# Allegro board TDI_KU5P_QSFP28_CXP_V001-20240805_1841.brd (continued)
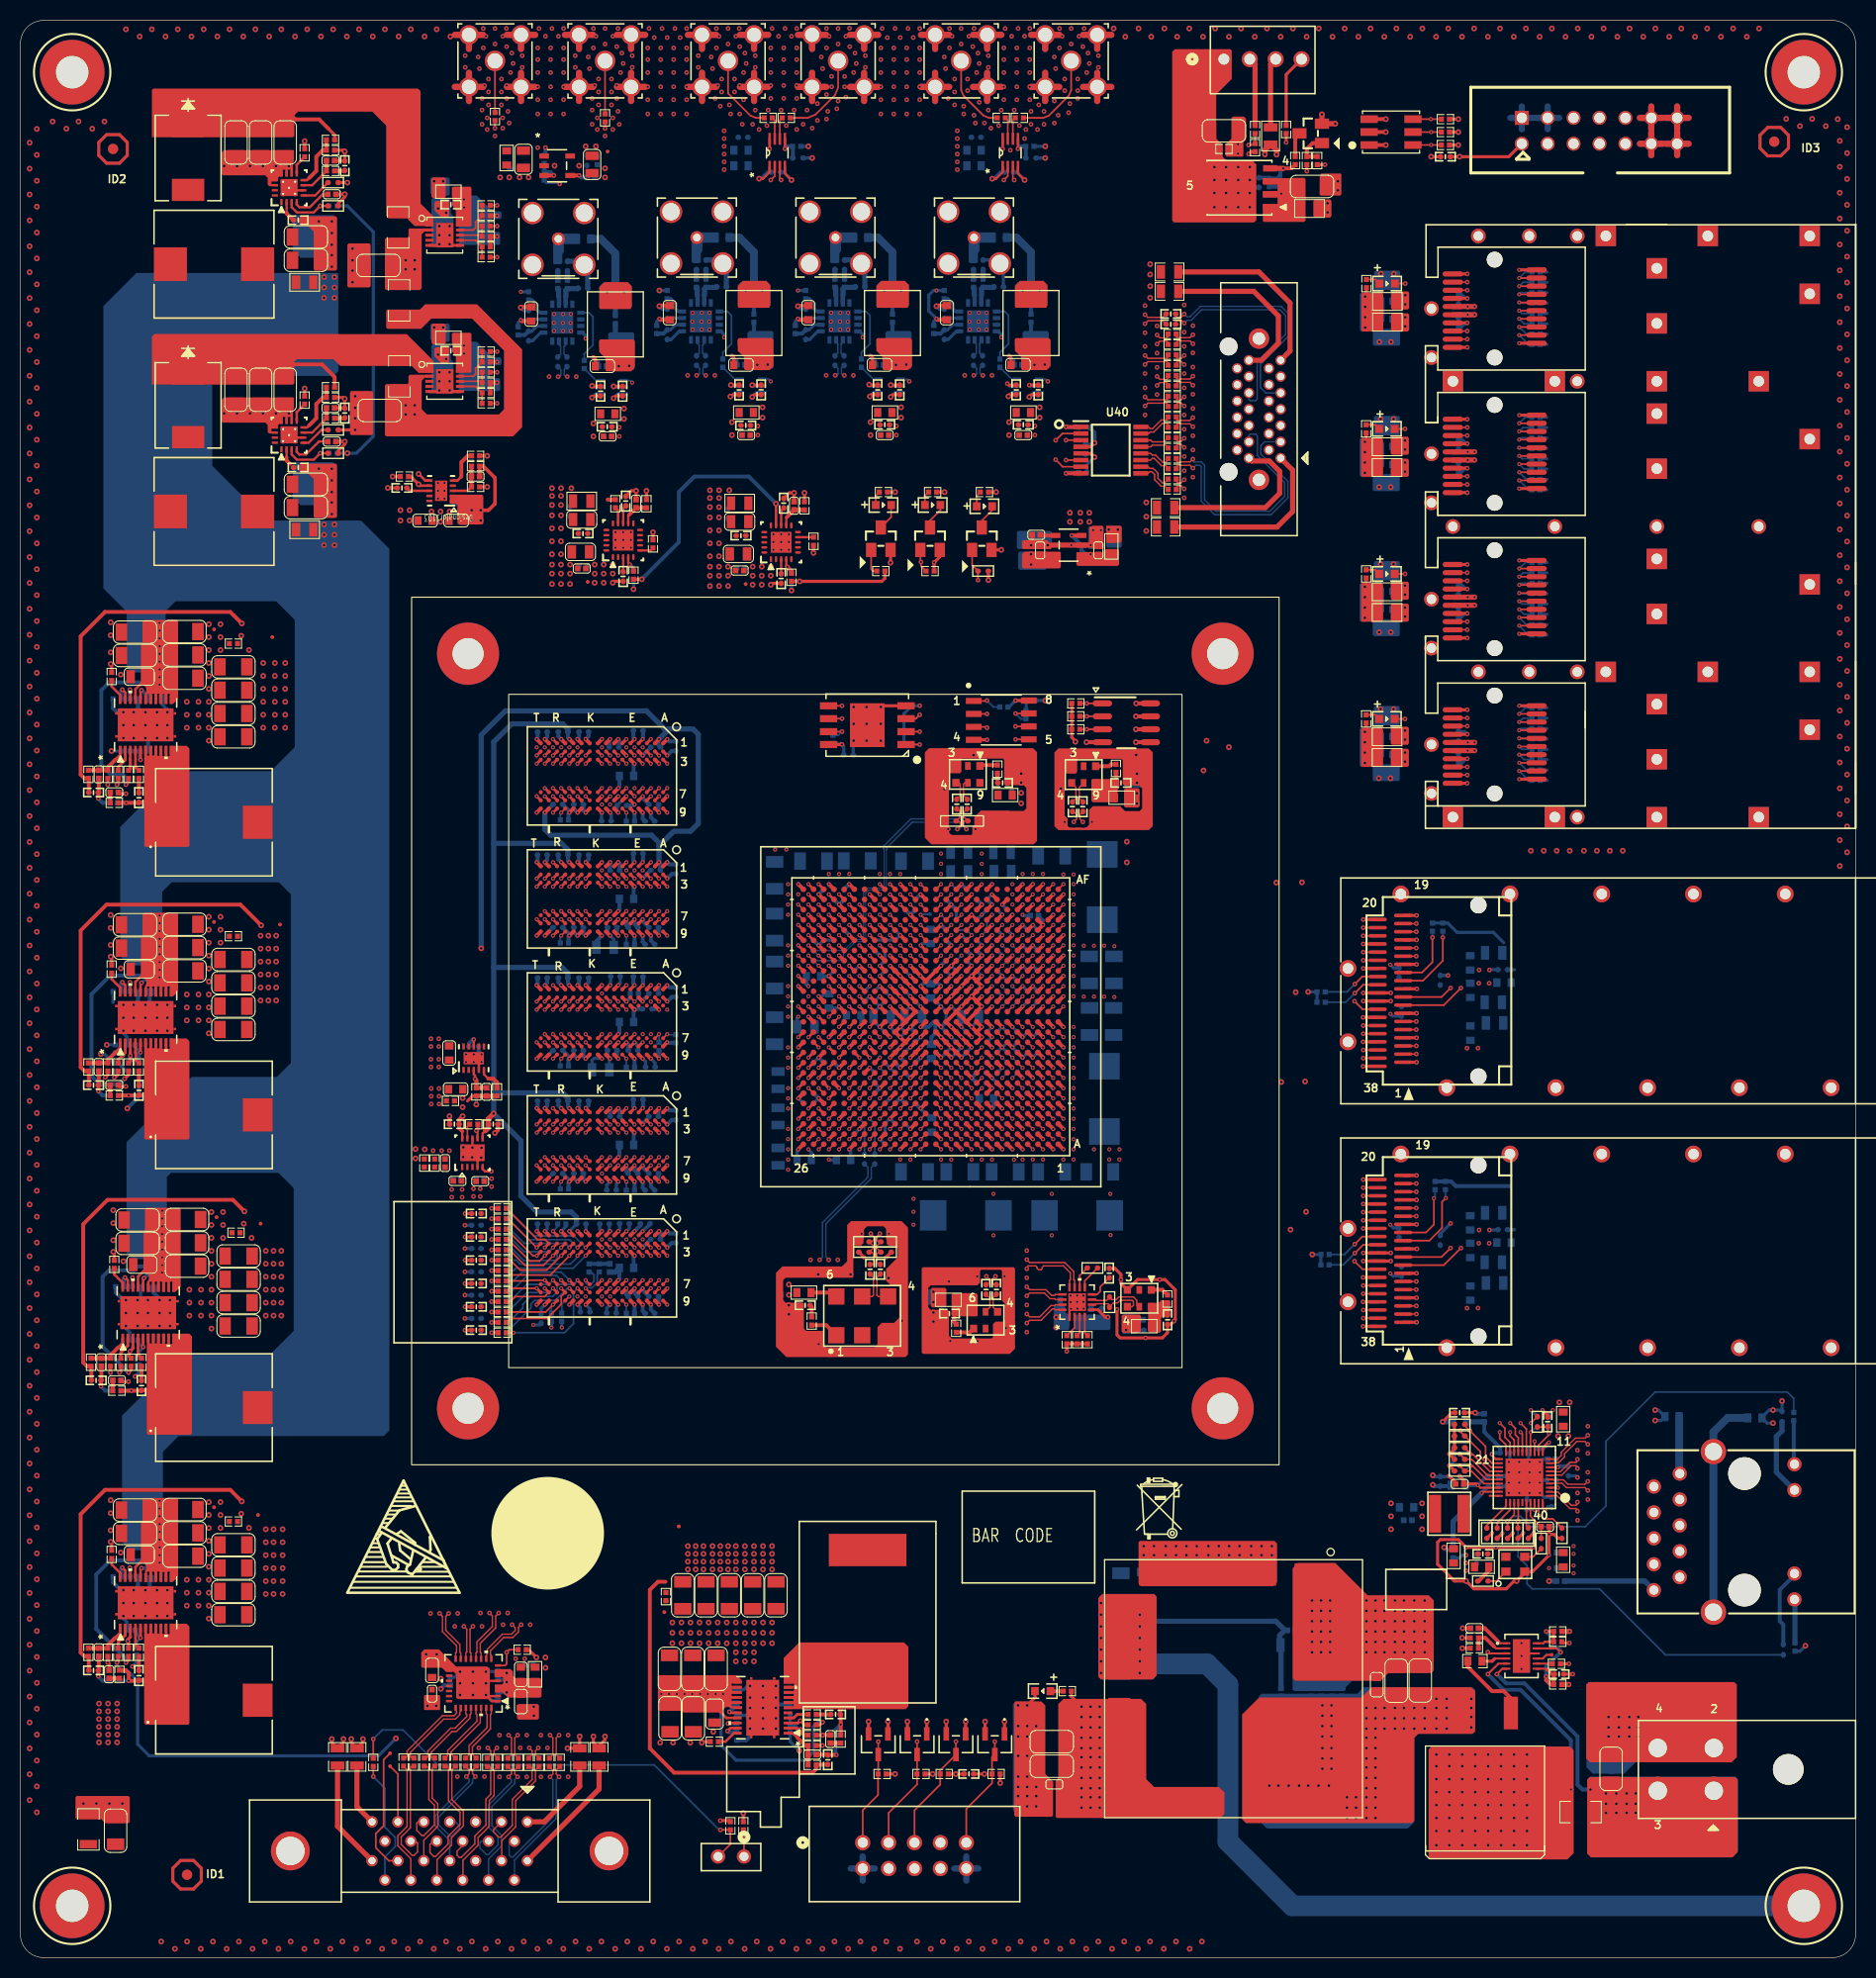
[diagram p0: board, top side]
## Routing (per net, layer and track width the routed paths; a pad name or vN(x,y) marks a point on that pad's centre or on a via; arc(x,y) is an arc through that point) (continued)
CHA_FPGA_DDR4_C1_A12: length 119.9
  TOP w0.267: U6.M7 v1(53.84,114.7) ; U1.V23 v1(79.29,97.28) ; U5.M7 v1(53.84,102.64) ; U8.M7 v1(53.84,90.57) ; U7.M7 v1(53.84,78.51) ; U9.M7 v1(53.84,66.44)
  ART10 w0.191: v1(53.84,114.7) 54.24,115.1 63.81,115.1 64.21,114.69 64.21,114.29 64.4,114.1 64.79,114.1 64.98,114.29 64.98,114.69 65.17,114.88 65.55,114.88 65.74,114.69 65.74,114.29 65.93,114.1 66.31,114.1 66.5,114.29 66.5,114.69 66.69,114.88 67.07,114.88 67.26,114.69 67.26,114.29 67.45,114.1 67.83,114.1 68.02,114.29 68.02,114.69 68.21,114.88 68.6,114.88 68.79,114.69 68.79,114.29 68.98,114.1 69.36,114.1 69.55,114.29 69.55,114.69 69.74,114.88 70.04,114.88 70.75,114.17 70.75,113.9 70.46,113.61 70.46,113.35 70.73,113.08 71,113.08 71.29,113.37 71.56,113.37 71.83,113.1 71.83,112.83 71.54,112.54 71.54,112.27 71.81,112 72.08,112 72.37,112.29 72.64,112.29 72.91,112.02 72.91,111.75 72.62,111.46 72.62,111.19 72.89,110.92 73.16,110.92 73.45,111.21 73.72,111.21 73.99,110.94 73.99,110.67 73.7,110.38 73.7,110.11 73.97,109.84 74.24,109.84 74.53,110.13 74.8,110.13 75.81,109.12 75.81,107.6 76,107.41 77.47,107.41 77.66,107.22 77.66,106.84 77.47,106.65 76,106.65 75.81,106.46 75.81,106.04 75.99,105.87 77.57,105.87 77.79,105.65 77.79,98.97 77.98,98.78 78.5,98.78 78.79,98.49 78.79,97.78 v1(79.29,97.28)
  ART12 w0.122: v1(53.84,66.44) 53.84,68.1 53.44,68.5 53.44,72.78 53.32,72.9 53.1,72.9 52.97,73.02 52.97,73.27 53.1,73.39 53.32,73.39 53.44,73.51 53.44,73.76 53.32,73.88 53.1,73.88 52.97,74 52.97,74.24 53.1,74.37 53.32,74.37 53.44,74.49 53.44,74.73 53.32,74.85 53.1,74.85 52.97,74.97 52.97,75.22 53.1,75.34 53.32,75.34 53.44,75.46 53.44,77.95 53.66,78.17 53.84,78.35 v1(53.84,78.51) 53.84,80.16 53.44,80.56 53.44,82.14 53.32,82.26 53.17,82.26 53.05,82.38 53.05,82.63 53.17,82.75 53.32,82.75 53.44,82.87 53.44,83.86 53.32,83.98 53.15,83.98 53.03,84.1 53.03,84.34 53.15,84.47 53.32,84.47 53.44,84.59 53.44,84.85 53.32,84.97 53.17,84.97 53.05,85.09 53.05,85.33 53.17,85.45 53.32,85.45 53.44,85.58 53.44,85.82 53.32,85.94 53.17,85.94 53.05,86.06 53.05,86.31 53.17,86.43 53.32,86.43 53.44,86.55 53.44,86.8 53.32,86.92 53.17,86.92 53.05,87.04 53.05,87.28 53.17,87.41 53.32,87.41 53.44,87.53 53.44,90.01 53.66,90.24 53.84,90.41 v1(53.84,90.57) 53.84,92.23 53.44,92.63 53.44,94.2 53.32,94.33 53.17,94.33 53.05,94.45 53.05,94.69 53.17,94.81 53.32,94.81 53.44,94.94 53.44,95.92 53.32,96.04 53.15,96.04 53.03,96.16 53.03,96.41 53.15,96.53 53.32,96.53 53.44,96.65 53.44,96.91 53.32,97.03 53.17,97.03 53.05,97.15 53.05,97.4 53.17,97.52 53.32,97.52 53.44,97.64 53.44,97.89 53.32,98.01 53.17,98.01 53.05,98.13 53.05,98.37 53.17,98.5 53.32,98.5 53.44,98.62 53.44,98.86 53.32,98.98 53.17,98.98 53.05,99.1 53.05,99.35 53.17,99.47 53.32,99.47 53.44,99.59 53.44,102.08 53.66,102.3 53.84,102.48 v1(53.84,102.64) 53.84,104.29 53.44,104.69 53.44,108.98 53.32,109.1 53.17,109.1 53.05,109.22 53.05,109.46 53.17,109.58 53.32,109.58 53.44,109.71 53.44,109.95 53.32,110.07 53.17,110.07 53.05,110.19 53.05,110.44 53.17,110.56 53.32,110.56 53.44,110.68 53.44,110.93 53.32,111.05 53.17,111.05 53.05,111.17 53.05,111.41 53.17,111.54 53.32,111.54 53.44,111.66 53.44,114.3 v1(53.84,114.7)
  BOTTOM w0.17: v1(53.84,66.44) 53.05,67.23 49.22,67.23 48.35,66.37 R82.1
CHA_FPGA_DDR4_C1_A13: length 116.1
  TOP w0.17: R83.1 47.95,65.64 v1(50.64,65.64)
  TOP w0.267: U5.T8 v1(50.64,101.83) ; U8.T8 v1(50.64,89.77) ; U1.N24 v1(78.29,92.28) ; U6.T8 v1(50.64,113.9) ; U9.T8 v1(50.64,65.64) ; U7.T8 v1(50.64,77.7)
  ART10 w0.191: v1(50.64,113.9) 50.15,113.42 50.15,108.56 50.74,107.98 63.87,107.98 64.4,107.44 64.4,91.99 64.7,91.69 65.63,91.69 65.82,91.88 65.82,92.27 66.01,92.46 66.39,92.46 66.58,92.27 66.58,91.88 66.77,91.69 77.71,91.69 v1(78.29,92.28)
  ART12 w0.122: v1(50.64,113.9) 50.08,113.9 49.01,112.83 49.01,103.46 49.29,103.18 49.46,103.18 49.68,103.4 49.85,103.4 50.03,103.23 50.03,103.05 49.81,102.84 49.81,102.66 v1(50.64,101.83) 50.08,101.83 49.01,100.76 49.01,91.4 49.22,91.19 49.39,91.19 49.48,91.28 49.66,91.28 49.83,91.1 49.83,90.93 49.74,90.84 49.74,90.67 49.91,90.5 50.08,90.5 50.17,90.59 50.35,90.59 50.52,90.41 50.52,90.24 50.43,90.15 50.43,89.98 v1(50.64,89.77) 50.08,89.77 49.01,88.7 49.01,79.33 49.22,79.12 49.39,79.12 49.48,79.21 49.66,79.21 49.83,79.04 49.83,78.87 49.74,78.78 49.74,78.6 49.91,78.43 50.08,78.43 50.17,78.52 50.35,78.52 50.52,78.35 50.52,78.18 50.43,78.09 50.43,77.91 v1(50.64,77.7) 50.08,77.7 49.01,76.63 49.01,67.27 49.29,66.99 49.46,66.99 49.68,67.2 49.85,67.2 50.03,67.03 50.03,66.86 49.81,66.64 49.81,66.47 v1(50.64,65.64)
CHA_FPGA_DDR4_C1_ACT: length 120.5
  TOP w0.267: U6.L3 v1(54.64,117.1) ; U5.L3 v1(54.64,105.04) ; U9.L3 v1(54.64,68.84) ; U1.Y23 v1(79.29,99.28) ; U7.L3 v1(54.64,80.91) ; U8.L3 v1(54.64,92.97)
  ART05 w0.122: v1(54.64,68.84) 54.24,69.24 54.24,70.15 55.04,70.95 55.04,71.83 54.92,71.95 54.75,71.95 54.63,72.07 54.63,72.31 54.75,72.44 54.92,72.44 55.04,72.56 55.04,72.8 54.92,72.92 54.75,72.92 54.63,73.05 54.63,73.29 54.75,73.41 54.92,73.41 55.04,73.53 55.04,73.78 54.92,73.9 54.75,73.9 54.63,74.02 54.63,74.27 54.75,74.39 54.92,74.39 55.04,74.51 55.04,74.75 54.92,74.88 54.75,74.88 54.63,75 54.63,75.24 54.75,75.36 54.92,75.36 55.04,75.48 55.04,78.91 54.64,79.31 v1(54.64,80.91) 54.64,81.06 54.46,81.24 54.24,81.46 54.24,82.21 55.04,83.01 55.04,83.79 54.92,83.92 54.75,83.92 54.63,84.04 54.63,84.28 54.75,84.4 54.92,84.4 55.04,84.53 55.04,84.77 54.92,84.89 54.75,84.89 54.63,85.01 54.63,85.26 54.75,85.38 54.92,85.38 55.04,85.5 55.04,85.75 54.92,85.87 54.75,85.87 54.63,85.99 54.63,86.23 54.75,86.35 54.92,86.35 55.04,86.48 55.04,86.72 54.92,86.84 54.75,86.84 54.63,86.96 54.63,87.21 54.75,87.33 54.92,87.33 55.04,87.45 55.04,90.98 54.64,91.38 v1(54.64,92.97) 54.64,93.13 54.46,93.3 54.24,93.53 54.24,94.28 55.04,95.08 55.04,96.98 54.92,97.11 54.72,97.11 54.6,97.23 54.6,97.47 54.72,97.59 54.92,97.59 55.04,97.72 55.04,97.96 54.92,98.08 54.72,98.08 54.6,98.2 54.6,98.45 54.72,98.57 54.92,98.57 55.04,98.69 55.04,98.94 54.92,99.06 54.72,99.06 54.6,99.18 54.6,99.42 54.72,99.54 54.92,99.54 55.04,99.67 55.04,103.04 54.64,103.44 v1(54.64,105.04) 54.64,105.19 54.46,105.37 54.24,105.59 54.24,106.34 55.04,107.14 55.04,109.05 54.92,109.17 54.72,109.17 54.6,109.29 54.6,109.54 54.72,109.66 54.92,109.66 55.04,109.78 55.04,110.02 54.92,110.15 54.72,110.15 54.6,110.27 54.6,110.51 54.72,110.63 54.92,110.63 55.04,110.76 55.04,111 54.92,111.12 54.72,111.12 54.6,111.24 54.6,111.49 54.72,111.61 54.92,111.61 55.04,111.73 55.04,115.11 54.64,115.51 v1(54.64,117.1)
  ART12 w0.165: v1(54.64,117.1) 55.03,117.49 55.03,118.14 56,119.1 63.86,119.1
  ART12 w0.191: v1(79.29,99.28) 78.79,99.78 78.11,99.78 77.79,100.1 77.79,100.49 77.5,100.78 77.08,100.78 76.79,101.07 76.79,101.43 76.44,101.78 71.99,101.78 71.8,101.97 71.8,107.51 71.61,107.7 70.26,107.7 70.07,107.89 70.07,108.38 70.26,108.57 71.58,108.57 71.77,108.76 71.77,109.14 71.58,109.33 70.26,109.33 70.07,109.52 70.07,109.9 70.26,110.09 71.58,110.09 71.77,110.28 71.77,110.66 71.58,110.85 70.26,110.85 70.07,111.05 70.07,111.43 70.26,111.62 71.58,111.62 71.77,111.81 71.77,112.19 71.58,112.38 70.28,112.38 70.09,112.57 70.09,114.63 65.62,119.1 63.86,119.1
  BOTTOM w0.17: v1(54.64,68.84) 54.64,68.72 53.94,68.02 49.01,68.02 48.63,68.4 R97.1
CHA_FPGA_DDR4_C1_ALERT: length 121
  TOP w0.17: v1(52.24,64.04) 51.52,63.32 R67.2
  TOP w0.267: U9.P9 v1(52.24,64.04) ; U1.P24 v1(78.29,93.28) ; U8.P9 v1(52.24,88.17) ; U5.P9 v1(52.24,100.23) ; U7.P9 v1(52.24,76.1) ; U6.P9 v1(52.24,112.3)
  ART03 w0.122: v1(52.24,64.04) U9.P9 52.64,71.86 52.77,71.99 53.06,71.99 53.18,72.11 53.18,72.35 53.06,72.47 52.77,72.47 52.64,72.6 52.64,72.84 52.77,72.96 53.06,72.96 53.18,73.08 53.18,73.33 53.06,73.45 52.77,73.45 52.64,73.57 52.64,73.81 52.77,73.94 53.06,73.94 53.18,74.06 53.18,74.3 53.06,74.42 52.77,74.42 52.64,74.55 52.64,75.69 52.24,76.1 v1(52.24,76.1) U7.P9 52.64,83.89 52.77,84.02 53.06,84.02 53.18,84.14 53.18,84.39 53.06,84.51 52.77,84.51 52.64,84.63 52.64,84.88 52.77,85 53.06,85 53.18,85.12 53.18,85.36 53.06,85.48 52.77,85.48 52.64,85.61 52.64,85.85 52.77,85.97 53.06,85.97 53.18,86.09 53.18,86.34 53.06,86.46 52.77,86.46 52.64,86.58 52.64,87.76 52.24,88.16 v1(52.24,88.17) U8.P9 52.64,95.68 52.77,95.81 53,95.81 53.13,95.93 53.13,96.17 53,96.29 52.77,96.29 52.64,96.42 52.64,96.66 52.77,96.78 53,96.78 53.13,96.9 53.13,97.15 53,97.27 52.77,97.27 52.64,97.39 52.64,97.64 52.77,97.76 53,97.76 53.13,97.88 53.13,98.12 53,98.25 52.77,98.25 52.64,98.37 52.64,98.61 52.77,98.73 53,98.73 53.13,98.86 53.13,99.1 53,99.22 52.77,99.22 52.64,99.34 52.64,99.82 52.24,100.23 v1(52.24,100.23) U5.P9 52.64,109.37 52.77,109.49 53.16,109.49 53.28,109.61 53.28,109.86 53.16,109.98 52.77,109.98 52.64,110.1 52.64,110.35 52.77,110.47 53.16,110.47 53.28,110.59 53.28,110.83 53.16,110.96 52.77,110.96 52.64,111.08 52.64,111.89 52.24,112.29 v1(52.24,112.3)
  ART10 w0.191: v1(78.29,93.28) 77.79,93.78 77.08,93.78 76.63,94.23 76.05,94.23 75.52,94.77 68.93,94.77 68.39,95.3 68.39,98.75 68.2,98.94 66.78,98.94 66.59,99.13 66.59,99.51 66.78,99.7 68.2,99.7 68.39,99.89 68.39,100.27 68.2,100.46 66.78,100.46 66.59,100.65 66.59,101.03 66.78,101.22 68.2,101.22 68.39,101.41 68.39,101.79 68.2,101.98 66.78,101.98 66.59,102.18 66.59,102.56 66.78,102.75 68.2,102.75 68.39,102.94 68.39,103.42 68.2,103.61 66.73,103.61 66.54,103.8 66.54,109.45 66.16,109.83 52.62,109.83 52.24,110.21 v1(52.24,112.3)
  BOTTOM w0.17: v1(52.24,64.04) 52.09,63.89 R68.2
CHA_FPGA_DDR4_C1_BA0: length 122.9
  TOP w0.267: U5.N2 v1(53.04,105.84) ; U8.N2 v1(53.04,93.77) ; U7.N2 v1(53.04,81.71) ; U9.N2 v1(53.04,69.64) ; U1.V22 v1(80.29,97.28) ; U6.N2 v1(53.04,117.9)
  ART05 w0.122: v1(53.04,117.9) 53.44,117.5 53.44,115.78 52.64,114.98 52.64,111.62 52.52,111.5 52.33,111.5 52.21,111.38 52.21,111.13 52.33,111.01 52.52,111.01 52.64,110.89 52.64,110.65 52.52,110.52 52.33,110.52 52.21,110.4 52.21,110.16 52.33,110.04 52.52,110.04 52.64,109.91 52.64,109.67 52.52,109.55 52.33,109.55 52.21,109.43 52.21,109.18 52.33,109.06 52.52,109.06 52.64,108.94 52.64,107.02 53.04,106.62 v1(53.04,105.84) 53.04,105.68 53.44,105.28 53.44,103.72 52.64,102.92 52.64,101.41 52.52,101.29 52.33,101.29 52.21,101.17 52.21,100.92 52.33,100.8 52.52,100.8 52.64,100.68 52.64,99.56 52.52,99.43 52.33,99.43 52.21,99.31 52.21,99.07 52.33,98.95 52.52,98.95 52.64,98.82 52.64,98.58 52.52,98.46 52.33,98.46 52.21,98.34 52.21,98.09 52.33,97.97 52.52,97.97 52.64,97.85 52.64,97.6 52.52,97.48 52.33,97.48 52.21,97.36 52.21,97.12 52.33,97 52.52,97 52.64,96.87 52.64,94.95 53.04,94.55 v1(53.04,93.77) 53.04,93.61 53.44,93.21 53.44,91.65 52.64,90.85 52.64,89.34 52.52,89.22 52.33,89.22 52.21,89.1 52.21,88.86 52.33,88.73 52.52,88.73 52.64,88.61 52.64,87.49 52.52,87.37 52.33,87.37 52.21,87.25 52.21,87 52.33,86.88 52.52,86.88 52.64,86.76 52.64,86.52 52.52,86.39 52.33,86.39 52.21,86.27 52.21,86.03 52.33,85.91 52.52,85.91 52.64,85.78 52.64,85.54 52.52,85.42 52.33,85.42 52.21,85.3 52.21,85.05 52.33,84.93 52.52,84.93 52.64,84.81 52.64,82.89 53.04,82.49 v1(53.04,81.71) 53.04,81.55 53.44,81.15 53.44,79.59 52.64,78.79 52.64,75.43 52.52,75.3 52.33,75.3 52.21,75.18 52.21,74.94 52.33,74.82 52.52,74.82 52.64,74.69 52.64,74.45 52.52,74.33 52.33,74.33 52.21,74.21 52.21,73.96 52.33,73.84 52.52,73.84 52.64,73.72 52.64,73.47 52.52,73.35 52.33,73.35 52.21,73.23 52.21,72.99 52.33,72.87 52.52,72.87 52.64,72.74 52.64,70.82 53.04,70.42 v1(53.04,69.64)
  ART12 w0.165: 53.44,120.02 U6.N2 v1(53.04,117.9)
  ART12 w0.191: v1(80.29,97.28) 79.79,97.78 79.79,105.54 79.55,105.78 76.04,105.78 75.81,106.01 75.81,106.5 76,106.69 76.94,106.69 77.13,106.88 77.13,107.26 76.94,107.45 76,107.45 75.81,107.64 75.81,109.87 75.62,110.06 73.81,110.06 73.62,110.25 73.62,110.63 73.81,110.82 75.62,110.82 75.81,111.01 75.81,111.48 65.67,121.62 55.03,121.62 53.44,120.02
  BOTTOM w0.17: R84.1 48.33,69.42 49.37,68.38 52.47,68.38 52.64,68.55 52.64,69.24 53.04,69.64 v1(53.04,69.64)
CHA_FPGA_DDR4_C1_BA1: length 123.7
  TOP w0.17: U9.N8 53.04,64.84 53.04,64.07 51.65,62.69 48.04,62.69 R85.1
  TOP w0.267: U8.N8 v1(53.04,89.77) ; U7.N8 v1(53.04,77.7) ; U5.N8 v1(53.04,101.83) ; U1.T23 v1(79.29,95.28) ; U6.N8 v1(53.04,113.9) ; U9.N8 v1(53.04,65.64)
  ART10 w0.165: v1(53.04,113.9) U6.N8 53.44,112.06
  ART10 w0.191: 53.44,112.06 53.44,111.35 53.69,111.1 69.41,111.1 69.69,110.82 69.69,110.36 69.5,110.17 67.92,110.17 67.73,109.98 67.73,109.6 67.92,109.41 69.62,109.41 69.81,109.22 69.81,108.84 69.62,108.65 67.92,108.65 67.73,108.46 67.73,108.07 67.92,107.88 69.5,107.88 69.69,107.69 69.69,107.31 69.5,107.12 67.92,107.12 67.73,106.93 67.73,106.55 67.92,106.36 69.5,106.36 69.69,106.17 69.69,96.52 69.94,96.27 75.6,96.27 76.09,95.78 77.61,95.78 78.12,95.28 v1(79.29,95.28)
  ART12 w0.122: v1(53.04,113.9) 53.04,113.07 52.64,112.67 52.64,111.58 52.52,111.46 52.38,111.46 52.26,111.34 52.26,111.09 52.38,110.97 52.52,110.97 52.64,110.85 52.64,110.61 52.52,110.48 52.38,110.48 52.26,110.36 52.26,110.12 52.38,110 52.52,110 52.64,109.87 52.64,109.63 52.52,109.51 52.38,109.51 52.26,109.39 52.26,109.14 52.38,109.02 52.52,109.02 52.64,108.9 52.64,104.66 53.44,103.86 53.44,102.39 53.04,101.99 v1(53.04,101.83) 53.04,101 52.64,100.6 52.64,99.51 52.52,99.39 52.38,99.39 52.26,99.27 52.26,99.03 52.38,98.91 52.52,98.91 52.64,98.78 52.64,98.54 52.52,98.42 52.38,98.42 52.26,98.3 52.26,98.05 52.38,97.93 52.52,97.93 52.64,97.81 52.64,97.56 52.52,97.44 52.38,97.44 52.26,97.32 52.26,97.08 52.38,96.96 52.52,96.96 52.64,96.84 52.64,95.03 52.52,94.92 52.36,94.92 52.24,94.79 52.24,94.55 52.36,94.43 52.52,94.43 52.64,94.31 52.64,92.6 53.44,91.8 53.44,90.33 53.04,89.93 v1(53.04,89.77) 53.04,88.94 52.64,88.54 52.64,87.63 52.52,87.52 52.33,87.52 52.21,87.4 52.21,87.15 52.33,87.03 52.52,87.03 52.64,86.91 52.64,86.66 52.52,86.54 52.33,86.54 52.21,86.42 52.21,86.18 52.33,86.05 52.52,86.05 52.64,85.93 52.64,85.69 52.52,85.57 52.33,85.57 52.21,85.44 52.21,85.2 52.33,85.08 52.52,85.08 52.64,84.96 52.64,82.97 52.52,82.85 52.36,82.85 52.24,82.73 52.24,82.49 52.36,82.36 52.52,82.36 52.64,82.25 52.64,80.53 53.44,79.73 53.44,78.26 53.04,77.86 v1(53.04,77.7) 53.04,76.87 52.64,76.47 52.64,75.38 52.52,75.26 52.31,75.26 52.19,75.14 52.19,74.9 52.31,74.78 52.52,74.78 52.64,74.65 52.64,74.41 52.52,74.29 52.31,74.29 52.19,74.17 52.19,73.92 52.31,73.8 52.52,73.8 52.64,73.68 52.64,73.43 52.52,73.31 52.31,73.31 52.19,73.19 52.19,72.95 52.31,72.83 52.52,72.83 52.64,72.71 52.64,68.47 53.44,67.67 53.44,66.04 v1(53.04,65.64)
CHA_FPGA_DDR4_C1_BG0: length 119.4
  TOP w0.267: U1.AA23 v1(79.29,100.28) ; U5.M2 v1(53.84,105.84) ; U6.M2 v1(53.84,117.9) ; U8.M2 v1(53.84,93.77) ; U9.M2 v1(53.84,69.64) ; U7.M2 v1(53.84,81.71)
  ART05 w0.122: v1(53.84,117.9) 54.24,117.5 54.24,111.65 54.12,111.52 53.91,111.52 53.79,111.4 53.79,111.16 53.91,111.04 54.12,111.04 54.24,110.91 54.24,110.67 54.12,110.55 53.91,110.55 53.79,110.43 53.79,110.18 53.91,110.06 54.12,110.06 54.24,109.94 54.24,109.7 54.12,109.57 53.91,109.57 53.79,109.45 53.79,109.21 53.91,109.09 54.12,109.09 54.24,108.96 54.24,106.8 53.84,106.4 v1(53.84,105.84) 53.84,105.68 54.24,105.28 54.24,101.45 54.12,101.33 53.96,101.33 53.84,101.21 53.84,100.96 53.96,100.84 54.12,100.84 54.24,100.72 54.24,99.58 54.12,99.46 53.91,99.46 53.79,99.34 53.79,99.09 53.91,98.97 54.12,98.97 54.24,98.85 54.24,98.61 54.12,98.48 53.91,98.48 53.79,98.36 53.79,98.12 53.91,98 54.12,98 54.24,97.87 54.24,97.63 54.12,97.51 53.91,97.51 53.79,97.39 53.79,97.14 53.91,97.02 54.12,97.02 54.24,96.9 54.24,94.74 53.84,94.34 v1(53.84,93.77) 53.84,93.61 54.24,93.21 54.24,89.39 54.12,89.26 53.96,89.26 53.84,89.14 53.84,88.9 53.96,88.78 54.12,88.78 54.24,88.66 54.24,87.52 54.12,87.39 53.91,87.39 53.79,87.27 53.79,87.03 53.91,86.91 54.12,86.91 54.24,86.78 54.24,86.54 54.12,86.42 53.91,86.42 53.79,86.3 53.79,86.05 53.91,85.93 54.12,85.93 54.24,85.81 54.24,85.57 54.12,85.44 53.91,85.44 53.79,85.32 53.79,85.08 53.91,84.96 54.12,84.96 54.24,84.83 54.24,82.67 53.84,82.27 v1(53.84,81.71) 53.84,81.55 54.24,81.15 54.24,75.52 54.12,75.4 53.91,75.4 53.79,75.27 53.79,75.03 53.91,74.91 54.12,74.91 54.24,74.79 54.24,74.54 54.12,74.42 53.91,74.42 53.79,74.3 53.79,74.06 53.91,73.93 54.12,73.93 54.24,73.81 54.24,73.57 54.12,73.45 53.91,73.45 53.79,73.32 53.79,73.08 53.91,72.96 54.12,72.96 54.24,72.84 54.24,72.59 54.12,72.47 53.91,72.47 53.79,72.35 53.79,72.11 53.91,71.98 54.12,71.98 54.24,71.86 54.24,70.61 53.84,70.21 v1(53.84,69.64)
  ART12 w0.165: 54.37,119.86 54.24,119.74 U6.M2 v1(53.84,117.9)
  ART12 w0.191: v1(79.29,100.28) 78.79,100.78 78.79,104.48 78.49,104.78 73.1,104.78 72.97,104.91 72.97,105.3 73.16,105.49 74.47,105.49 74.66,105.68 74.66,106.06 74.47,106.25 73.16,106.25 72.97,106.44 72.97,106.82 73.16,107.01 74.47,107.01 74.66,107.2 74.66,109 74.47,109.19 73.18,109.19 72.99,109.39 72.99,111.47 73.18,111.66 73.56,111.66 73.75,111.85 73.75,112.23 73.56,112.42 73.18,112.42 72.99,112.62 72.99,113.41 65.37,121.03 55.53,121.03 54.37,119.86
  BOTTOM w0.17: v1(53.84,69.64) 53.84,69.7 53.48,70.05 49.42,70.05 48.02,71.45 R88.1
CHA_FPGA_DDR4_C1_CAS: length 121.8
  TOP w0.267: U6.M8 v1(53.84,113.9) ; U8.M8 v1(53.84,89.77) ; U5.M8 v1(53.84,101.83) ; U1.U26 v1(76.29,96.28) ; U9.M8 v1(53.84,65.64) ; U7.M8 v1(53.84,77.7)
  ART10 w0.165: v1(53.84,113.9) U6.M8 54.24,112.12
  ART10 w0.191: v1(76.29,96.28) 76.12,96.28 75.55,96.85 70.55,96.85 70.3,97.1 70.3,103.57 70.49,103.76 72.01,103.76 72.2,103.95 72.2,104.37 72.01,104.56 70.49,104.56 70.3,104.75 70.3,105.13 70.49,105.32 72.01,105.32 72.2,105.51 72.2,105.89 72.01,106.08 70.49,106.08 70.3,106.27 70.3,106.65 70.49,106.84 72.01,106.84 72.2,107.03 72.2,107.41 72.01,107.6 70.49,107.6 70.3,107.79 70.3,108.18 70.49,108.37 72.01,108.37 72.2,108.56 72.2,109.02 71.58,109.64 71.31,109.64 71.12,109.45 70.86,109.45 70.59,109.72 70.59,109.99 70.77,110.18 70.77,110.55 69.59,111.73 54.55,111.73 54.24,112.04 54.24,112.12
  ART12 w0.122: v1(53.84,113.9) 53.84,113.05 54.24,112.65 54.24,111.65 54.11,111.52 53.99,111.52 53.86,111.4 53.86,111.15 53.99,111.03 54.11,111.03 54.23,110.91 54.23,110.67 54.11,110.54 53.99,110.54 53.86,110.42 53.86,110.18 53.99,110.06 54.11,110.06 54.23,109.93 54.23,109.69 54.11,109.57 53.99,109.57 53.86,109.45 53.86,109.2 53.99,109.08 54.11,109.08 54.24,108.95 54.24,102.39 53.84,101.99 v1(53.84,101.83) 53.84,100.99 54.24,100.59 54.24,99.58 54.11,99.45 53.99,99.45 53.86,99.33 53.86,99.09 53.99,98.97 54.11,98.97 54.23,98.84 54.23,98.6 54.11,98.48 53.99,98.48 53.86,98.36 53.86,98.11 53.99,97.99 54.11,97.99 54.23,97.87 54.23,97.62 54.11,97.5 53.99,97.5 53.86,97.38 53.86,97.14 53.99,97.02 54.11,97.02 54.23,96.89 54.23,96.58 54.11,96.45 53.96,96.45 53.84,96.33 53.84,96.09 53.96,95.97 54.11,95.97 54.24,95.84 54.24,94.97 54.11,94.84 54.01,94.84 53.89,94.72 53.89,94.47 54.01,94.35 54.11,94.35 54.24,94.22 54.24,90.33 53.84,89.93 v1(53.84,89.77) 53.84,88.92 54.24,88.52 54.24,87.52 54.11,87.39 53.99,87.39 53.86,87.27 53.86,87.02 53.99,86.9 54.11,86.9 54.23,86.78 54.23,86.54 54.11,86.41 53.99,86.41 53.86,86.29 53.86,86.05 53.99,85.93 54.11,85.93 54.23,85.8 54.23,85.56 54.11,85.44 53.99,85.44 53.86,85.32 53.86,85.07 53.99,84.95 54.11,84.95 54.23,84.83 54.23,84.51 54.11,84.39 53.96,84.39 53.84,84.27 53.84,84.02 53.96,83.9 54.11,83.9 54.24,83.77 54.24,82.9 54.11,82.78 54.01,82.78 53.89,82.65 53.89,82.41 54.01,82.29 54.11,82.29 54.24,82.16 54.24,78.26 53.84,77.86 v1(53.84,77.7) 53.84,76.86 54.24,76.46 54.24,75.58 54.11,75.45 53.91,75.45 53.79,75.33 53.79,75.08 53.91,74.96 54.11,74.96 54.23,74.84 54.23,74.6 54.11,74.47 53.91,74.47 53.79,74.35 53.79,74.11 53.91,73.99 54.11,73.99 54.23,73.86 54.23,73.62 54.11,73.5 53.91,73.5 53.79,73.38 53.79,73.13 53.91,73.01 54.11,73.01 54.23,72.89 54.23,72.65 54.11,72.52 53.91,72.52 53.79,72.4 53.79,72.16 53.91,72.04 54.11,72.04 54.24,71.91 54.24,66.04 v1(53.84,65.64)
  BOTTOM w0.17: R92.1 47.66,61.31 50.08,63.73 50.08,64.11 50.43,64.47 52.47,64.47 53.64,65.64 v1(53.84,65.64)
CHA_FPGA_DDR4_C1_CK_N: length 115.3
  TOP w0.17: U1.W26 v1(76.29,98.28) ; U8.K8 v1(55.44,89.77) ; U7.K8 v1(55.44,77.7) ; U5.K8 v1(55.44,101.83) ; U6.K8 v1(55.44,113.9) ; U9.K8 v1(55.44,65.64)
  ART12 w0.102: 74.94,98.65 75,98.7 76.72,98.7 76.84,98.58 76.84,98.38 76.74,98.28 v1(76.29,98.28)
  ART12 w0.137: v1(55.44,65.64) 55.69,65.89 56.3,65.89 56.63,66.22 56.63,66.91 56.77,67.05 56.85,67.05 56.99,67.18 56.99,67.46 56.85,67.6 56.77,67.6 56.63,67.73 56.63,73.06 56.77,73.2 56.92,73.2 57.22,73.49 57.22,74.34 56.92,74.63 56.77,74.63 56.63,74.77 56.63,76.7 56.16,77.17 55.74,77.17 55.37,77.54 55.37,77.64 v1(55.44,77.7) 55.69,77.95 56.3,77.95 56.63,78.28 56.63,78.98 56.77,79.11 56.85,79.11 56.99,79.25 56.99,79.52 56.85,79.66 56.77,79.66 56.63,79.8 56.63,85.12 56.77,85.26 56.92,85.26 57.22,85.55 57.22,86.4 56.92,86.7 56.77,86.7 56.63,86.83 56.63,88.76 56.16,89.23 55.74,89.23 55.37,89.6 55.37,89.7 v1(55.44,89.77) 55.69,90.02 56.3,90.02 56.63,90.35 56.63,91.04 56.77,91.18 56.85,91.18 56.99,91.31 56.99,91.59 56.85,91.73 56.77,91.73 56.63,91.86 56.63,97.19 56.77,97.33 56.92,97.33 57.22,97.62 57.22,98.47 56.92,98.76 56.77,98.76 56.63,98.9 56.63,100.83 56.16,101.3 55.74,101.3 55.37,101.67 55.37,101.77 v1(55.44,101.83) 55.69,102.08 56.3,102.08 56.63,102.41 56.63,103.11 56.77,103.24 56.9,103.24 57.04,103.38 57.04,103.65 56.9,103.79 56.77,103.79 56.63,103.93 56.63,109.25 56.77,109.39 56.87,109.39 57.17,109.68 57.17,110.53 56.87,110.83 56.77,110.83 56.63,110.96 56.63,112.89 56.16,113.36 55.74,113.36 55.37,113.73 55.37,113.83 v1(55.44,113.9)
  ART12 w0.178: 74.94,98.65 64.84,98.65 64.27,99.22 64.27,100.58 64.63,100.94 65.49,100.94 65.67,101.12 65.67,101.83 65.49,102 64.63,102 64.27,102.36 64.27,103.33 64.63,103.69 65.49,103.69 65.67,103.86 65.67,104.58 65.49,104.75 64.63,104.75 64.27,105.11 64.27,106.08 64.63,106.43 65.49,106.43 65.67,106.61 65.67,107.32 65.49,107.5 64.63,107.5 64.27,107.86 64.27,108.83 64.63,109.18 65.49,109.18 65.67,109.36 65.67,110.07 65.49,110.25 64.63,110.25 64.27,110.61 64.27,111.57 64.63,111.93 65.49,111.93 65.67,112.11 65.67,112.82 65.49,113 64.63,113 64.27,113.36 64.27,115.06 63.94,115.39 56.89,115.39 56.56,115.06 56.56,114.53 56.2,114.17 55.71,114.17 v1(55.44,113.9)
  BOTTOM w0.165: v1(55.44,65.64) 55.48,65.68 55.5,65.68 55.5,65.69 56.06,65.69 56.58,66.2 56.58,67.03 R101.1
CHA_FPGA_DDR4_C1_CK_P: length 115.4
  TOP w0.17: U1.W25 v1(77.29,98.28) ; U5.K7 v1(55.44,102.64) ; U7.K7 v1(55.44,78.51) ; U6.K7 v1(55.44,114.7) ; U9.K7 v1(55.44,66.44) ; U8.K7 v1(55.44,90.57)
  ART12 w0.102: v1(77.29,98.28) 77.15,98.28 77.05,98.38 77.05,98.66 76.8,98.91 75.01,98.91 74.96,98.96 74.94,98.96
  ART12 w0.137: v1(55.44,66.44) 55.69,66.19 56.17,66.19 56.32,66.35 56.32,73.19 56.64,73.5 56.8,73.5 56.91,73.62 56.91,74.21 56.8,74.33 56.64,74.33 56.32,74.64 56.32,76.57 56.03,76.86 55.62,76.86 55.04,77.44 55.04,77.95 55.44,78.35 v1(55.44,78.51) 55.69,78.26 56.17,78.26 56.32,78.41 56.32,85.25 56.64,85.57 56.8,85.57 56.91,85.68 56.91,86.28 56.8,86.39 56.64,86.39 56.32,86.71 56.32,88.64 56.03,88.93 55.62,88.93 55.04,89.5 55.04,90.01 55.44,90.41 v1(55.44,90.57) 55.69,90.32 56.17,90.32 56.32,90.48 56.32,97.32 56.64,97.63 56.8,97.63 56.91,97.75 56.91,98.34 56.8,98.46 56.64,98.46 56.32,98.77 56.32,100.7 56.03,100.99 55.62,100.99 55.07,101.54 55.07,102.1 55.44,102.48 v1(55.44,102.64) 55.69,102.39 56.17,102.39 56.32,102.54 56.32,109.38 56.64,109.7 56.74,109.7 56.86,109.81 56.86,110.41 56.74,110.52 56.64,110.52 56.32,110.84 56.32,112.77 56.03,113.06 55.62,113.06 55.04,113.63 55.04,114.3 v1(55.44,114.7)
  ART12 w0.178: v1(55.44,114.7) 55.66,114.48 56.07,114.48 56.25,114.66 56.25,115.19 56.76,115.7 64.07,115.7 64.58,115.19 64.58,113.48 64.76,113.31 65.62,113.31 65.98,112.95 65.98,111.98 65.62,111.62 64.76,111.62 64.58,111.45 64.58,110.73 64.76,110.56 65.62,110.56 65.98,110.2 65.98,109.23 65.62,108.88 64.76,108.88 64.58,108.7 64.58,107.99 64.76,107.81 65.62,107.81 65.98,107.45 65.98,106.48 65.62,106.13 64.76,106.13 64.58,105.95 64.58,105.24 64.76,105.06 65.62,105.06 65.98,104.7 65.98,103.74 65.62,103.38 64.76,103.38 64.58,103.2 64.58,102.49 64.76,102.31 65.62,102.31 65.98,101.95 65.98,100.99 65.62,100.63 64.76,100.63 64.58,100.45 64.58,99.34 64.97,98.96 74.94,98.96
  BOTTOM w0.165: R100.1 55.97,67.24 56.25,66.96 56.25,66.34 55.93,66.01 55.64,66.01 55.44,66.22 v1(55.44,66.44)
CHA_FPGA_DDR4_C1_CKE: length 120.3
  TOP w0.267: U5.K2 v1(55.44,105.84) ; U1.AA25 v1(77.29,100.28) ; U8.K2 v1(55.44,93.77) ; U7.K2 v1(55.44,81.71) ; U6.K2 v1(55.44,117.9) ; U9.K2 v1(55.44,69.64)
  ART05 w0.122: v1(55.44,69.64) 56.45,69.64 56.57,69.76 56.57,69.96 56.45,70.08 56.22,70.08 56.1,70.2 56.1,70.45 56.22,70.57 56.45,70.57 56.57,70.69 56.57,81.21 56.45,81.33 55.81,81.33 v1(55.44,81.71) 56.45,81.71 56.57,81.83 56.57,82.02 56.45,82.15 56.22,82.15 56.1,82.27 56.1,82.51 56.22,82.63 56.45,82.63 56.57,82.76 56.57,93.27 56.45,93.4 55.81,93.4 v1(55.44,93.77) 56.45,93.77 56.57,93.89 56.57,94.09 56.45,94.21 56.22,94.21 56.1,94.33 56.1,94.58 56.22,94.7 56.45,94.7 56.57,94.82 56.57,105.34 56.45,105.46 55.81,105.46 v1(55.44,105.84) 56.45,105.84 56.57,105.96 56.57,106.15 56.45,106.28 56.22,106.28 56.1,106.4 56.1,106.64 56.22,106.76 56.45,106.76 56.57,106.89 56.57,117.45 56.45,117.58 55.76,117.58 v1(55.44,117.9)